# Altium PCB TMS320F28379D_Interfaz_.PcbDoc (part 5 of 5)
Units mil, origin at the board's own origin, x right, y up, seen from the top; angles counter-clockwise.
Board outline 7050 x 6150 mil, 4 copper layers (Top Layer, GND plane, Power supply plane, Bottom Layer), stack 30.634 mil thick; 614 components, 361 nets, 2002 pads, 627 vias.
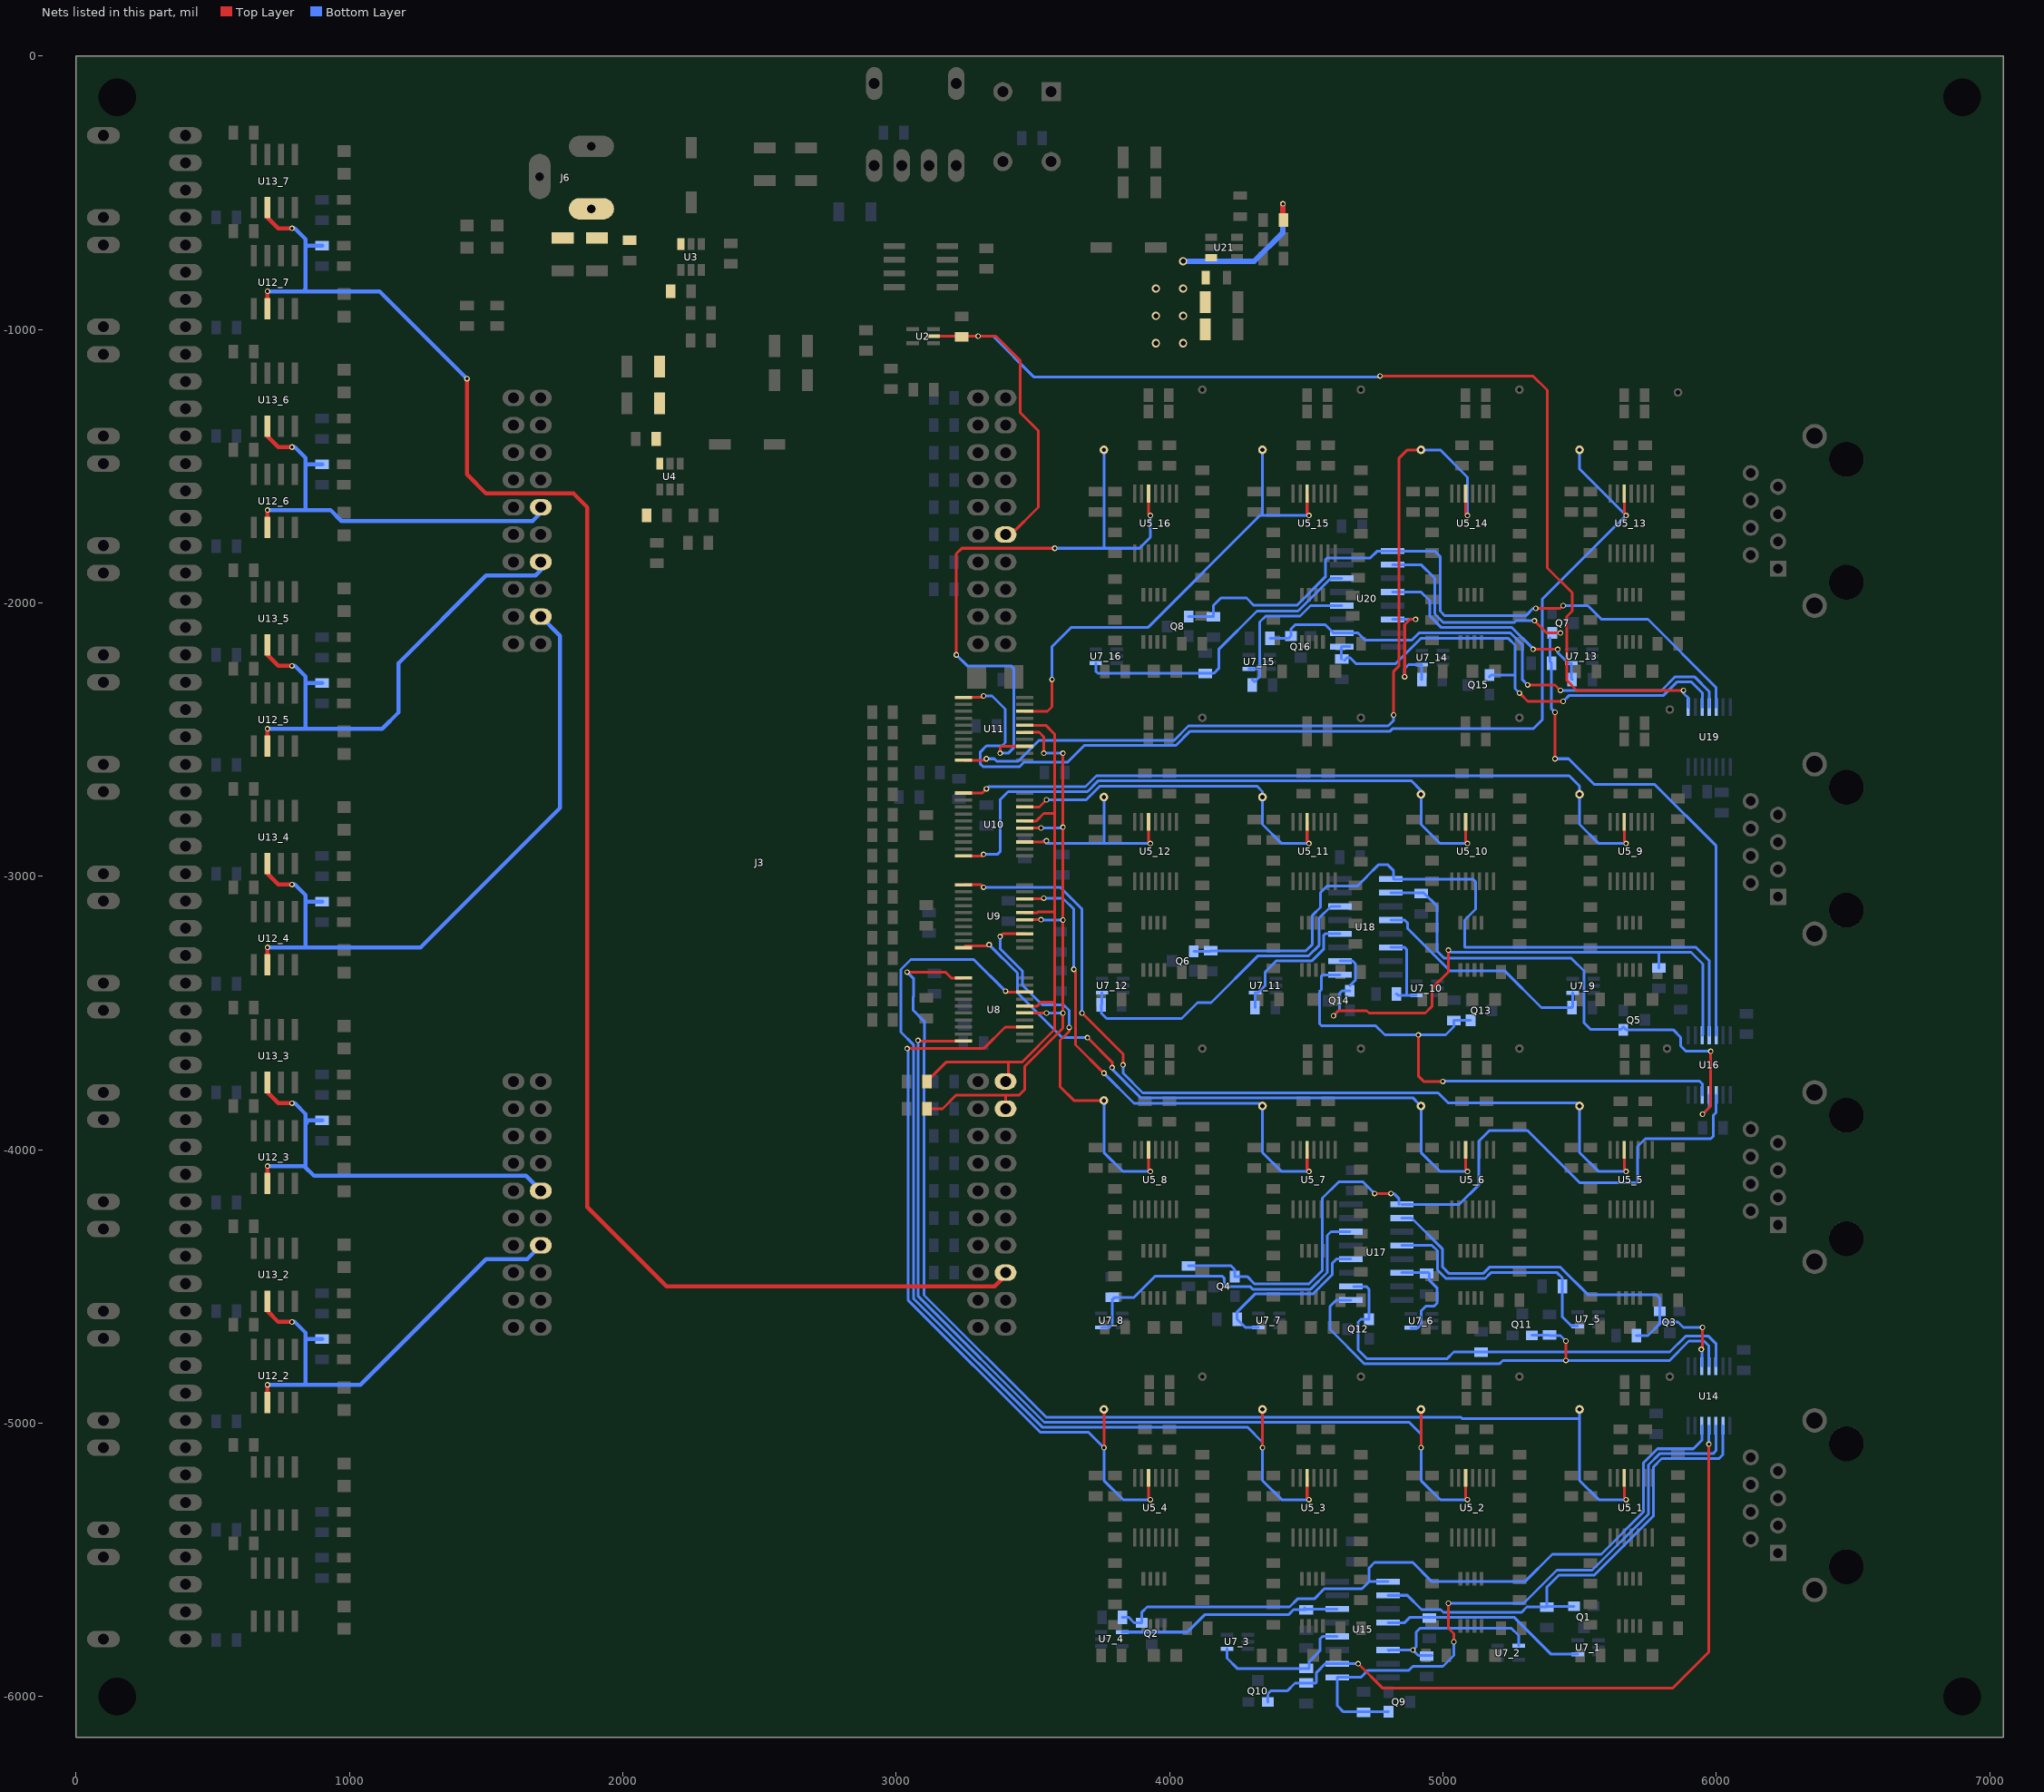
[diagram p7: the nets of this part, all layers, seen from the top]

## Via types
v1: diameter 20, hole 12, Top Layer to Bottom Layer, 538 vias
v2: diameter 30, hole 18, Top Layer to Bottom Layer, 80 vias
v3: diameter 30, hole 20, Top Layer to Bottom Layer, 6 vias
v4: diameter 32, hole 18, Top Layer to Bottom Layer, 3 vias

## Nets (pads, with @x,y where several pads share a name; then routed paths per layer and width w, separated by ;. In a path a pad name is that pad's centre, name@x,y a point inside that pad or via, vN(x,y) a via of type N, cw(c..) or ccw(c..) an arc to the next point about the centre after c; other vN are vias at no path point) (continued)
PWMB_2: J3.37 R63_2.2 U12_2.2 U13_2.2 | length 1737.5
  Top Layer w15: U12_2.2@700,-4924 v1(700,-4860) ; U13_2.2@700,-4554 700,-4590 740,-4630 v1(790,-4630)
  Bottom Layer w15: v1(700,-4860) 840,-4860 ; v1(790,-4630) 800,-4630 840,-4670 840,-4700 ; R63_2.2@900,-4692.6 847.4,-4692.6 840,-4700 ; J3.37@1700,-4350 1650,-4400 1500,-4400 1040,-4860 840,-4860 ; 840,-4860 840,-4700
PWMB_3: J3.35 R63_3.2 U12_3.2 U13_3.2 | length 1577.4
  Top Layer w15: U12_3.2@700,-4124 v1(700,-4060) ; U13_3.2@700,-3754 700,-3790 740,-3830 v1(790,-3830)
  Bottom Layer w15: v1(700,-4060) 834.55,-4060 ; v1(790,-3830) 800,-3830 840,-3870 840,-3910 ; R63_3.2@900,-3892.6 847.4,-3892.6 840,-3910 ; J3.35@1700,-4150 1645.5,-4095.5 870.05,-4095.5 834.55,-4060 ; 834.55,-4060 840,-4060 840,-3910
PWMB_4: J3.79 R63_4.2 U12_4.2 U13_4.2 | length 2536.4
  Top Layer w15: U12_4.2@700,-3324 v1(700,-3260) ; U13_4.2@700,-2954 700,-2990 740,-3030 v1(790,-3030)
  Bottom Layer w15: v1(700,-3260) 840,-3260 ; v1(790,-3030) 800,-3030 840,-3070 840,-3100 ; R63_4.2@900,-3092.6 847.4,-3092.6 840,-3100 ; J3.79@1700,-2050 1770,-2120 1770,-2750 1260,-3260 840,-3260 ; 840,-3260 840,-3100
PWMB_5: J3.77 R63_5.2 U12_5.2 U13_5.2 | length 1891.9
  Top Layer w15: U12_5.2@700,-2524 v1(700,-2460) ; U13_5.2@700,-2154 700,-2190 740,-2230 v1(790,-2230)
  Bottom Layer w15: v1(700,-2460) 840,-2460 ; v1(790,-2230) 800,-2230 840,-2270 840,-2300 ; R63_5.2@900,-2292.6 847.4,-2292.6 840,-2300 ; J3.77@1700,-1860 1700,-1880 1680,-1900 1500,-1900 1180,-2220 1180,-2400 1120,-2460 840,-2460 ; 840,-2460 840,-2300
PWMB_6: J3.75 R63_6.2 U12_6.2 U13_6.2 | length 1569.3
  Top Layer w15: U12_6.2@700,-1724 v1(700,-1660) ; U13_6.2@700,-1354 700,-1390 740,-1430 v1(790,-1430)
  Bottom Layer w15: v1(700,-1660) 840,-1660 ; v1(790,-1430) 800,-1430 840,-1470 840,-1500 ; R63_6.2@900,-1492.6 847.4,-1492.6 840,-1500 ; J3.75@1710,-1660 1670,-1700 970,-1700 930,-1660 840,-1660 ; 840,-1660 840,-1500
PWMB_10: J3.3 R63_7.2 U12_7.2 U13_7.2 | length 6459.3
  Top Layer w15: U12_7.2@700,-924 v1(700,-860) ; U13_7.2@700,-554 700,-590 740,-630 v1(790,-630) ; v1(1430,-1180) 1430,-1530 1500,-1600 1820,-1600 1870,-1650 1870,-4210 2160,-4500 3360,-4500 J3.3@3400,-4460
  Bottom Layer w15: v1(700,-860) 830,-860 ; v1(790,-630) 800,-630 840,-670 840,-700 ; R63_7.2@900,-692.6 847.4,-692.6 840,-700 ; v1(1430,-1180) 1110,-860 830,-860 ; 830,-860 840,-850 840,-700
R_I2C_1: POT_1.1 U5_1.5 U8.11 | length 4562.4
  Top Layer w10: v1(3040,-3350) 3180,-3350 3202.05,-3372.05 U8.11@3245.59,-3372.05 ; U5_1.5@5663.23,-5200 5663.23,-5273.23 v1(5670,-5280)
  Bottom Layer w10: v1(3040,-3350) 3063,-3373 3063,-3439.53 3062,-3440.53 3062,-3489.47 3103,-3530.47 3103,-3609.53 3102,-3610.53 3102,-4532 3548.75,-4978.75 5066.22,-4978.75 5070.47,-4983 5495.75,-4983 5500,-4987.25 ; POT_1.1@5500,-4940 POT_1.1@5500,-4950 5500,-4987.25 ; v1(5670,-5280) 5570,-5280 5500,-5210 5500,-4987.25
R_I2C_2: POT_2.1 U5_2.5 U8.20 | length 3742.8
  Top Layer w10: v1(3080,-3600) 3082.36,-3602.36 U8.20@3245.59,-3602.36 ; v1(4920,-5090) POT_2.1@4920,-4950 ; U5_2.5@5083.23,-5200 5083.23,-5273.23 v1(5090,-5280)
  Bottom Layer w10: v1(3080,-3600) 3081,-3601 3081,-4536.46 3541.29,-4996.75 4876.75,-4996.75 4920,-5040 v1(4920,-5090) 4920,-5210 4990,-5280 v1(5090,-5280)
R_I2C_3: POT_3.1 U5_3.5 U8.8 | length 3796.7
  Top Layer w10: v1(3400,-3420) 3403.23,-3423.23 U8.8@3470,-3423.23 ; v1(4340,-5090) POT_3.1@4340,-4950 ; U5_3.5@4503.23,-5200 4503.23,-5273.23 v1(4510,-5280)
  Bottom Layer w10: v1(3400,-3420) 3284,-3304 3053.47,-3304 3017,-3340.47 3017,-3569.53 3063,-3615.53 3063,-4543.91 3533.84,-5014.75 4284.75,-5014.75 4340,-5070 v1(4340,-5090) 4340,-5210 4410,-5280 v1(4510,-5280)
R_I2C_4: POT_4.1 U5_4.5 U8.3 | length 2866
  Top Layer w10: v1(3040,-3630) 3320,-3630 3398.82,-3551.18 U8.3@3470,-3551.18 ; v1(3760,-5090) POT_4.1@3760,-4950 ; U5_4.5@3923.23,-5200 3923.23,-5273.23 v1(3930,-5280)
  Bottom Layer w10: v1(3040,-3630) 3043,-3633 3043,-4549.37 3526.38,-5032.75 3702.75,-5032.75 v1(3760,-5090) 3760,-5210 3830,-5280 v1(3930,-5280)
R_I2C_5: POT_5.1 U5_5.5 U9.11 | length 3305
  Top Layer w10: U9.11@3245.59,-3030.87 3310.87,-3030.87 v1(3320,-3040) ; v1(3680,-3500) 3830,-3650 v1(3830,-3690) ; U5_5.5@5663.23,-4000 5663.23,-4073.23 v1(5670,-4080)
  Bottom Layer w10: v1(3320,-3040) 3600,-3040 3680,-3120 v1(3680,-3500) ; v1(3830,-3690) 3830,-3720 3902,-3792 4982.4,-3792 5018.4,-3828 5488,-3828 POT_5.1@5500,-3840 5500,-4010 5570,-4080 v1(5670,-4080)
R_I2C_6: POT_6.1 U5_6.5 U9.20 | length 2440.3
  Top Layer w10: U9.20@3245.59,-3261.18 3252.28,-3254.5 3335.5,-3254.5 v1(3340,-3250) ; v1(3700,-3590) 3790,-3680 v1(3790,-3700) ; U5_6.5@5083.23,-4000 5083.23,-4073.23 v1(5090,-4080)
  Bottom Layer w10: v1(3340,-3250) 3443.46,-3353.46 3443.46,-3425.98 3607.47,-3590 v1(3700,-3590) ; v1(3790,-3700) 3784.54,-3700 3894.54,-3810 4890,-3810 4910,-3830 4910,-3840 4920,-3850 4920,-4010 4990,-4080 v1(5090,-4080)
R_I2C_7: POT_7.1 U5_7.5 U9.8 | length 1924.5
  Top Layer w10: U9.8@3470,-3082.05 3537.95,-3082.05 v1(3540,-3080) ; v1(3650,-3340) 3656,-3346 3656,-3616 v1(3760,-3720) ; U5_7.5@4503.23,-4000 4503.23,-4073.23 v1(4510,-4080)
  Bottom Layer w10: v1(3540,-3080) 3610,-3080 3650,-3120 v1(3650,-3340) ; v1(3760,-3720) 3870,-3830 4330,-3830 POT_7.1@4340,-3840 4340,-4010 4410,-4080 v1(4510,-4080)
R_I2C_8: POT_8.1 U5_8.5 U9.3 | length 1460.8
  Top Layer w10: v1(3380,-3220) 3390,-3210 U9.3@3470,-3210 ; v1(3633,-3553) 3633,-3567 3600,-3600 3600,-3770 3650,-3820 POT_8.1@3760,-3820 ; U5_8.5@3923.23,-4000 3923.23,-4073.23 v1(3930,-4080)
  Bottom Layer w10: v1(3380,-3220) 3380,-3264.54 3461.46,-3346 3461.46,-3396.91 3534.54,-3470 3612.53,-3470 3633,-3490.47 v1(3633,-3553) ; POT_8.1@3760,-3820 3760,-4010 3830,-4080 v1(3930,-4080)
R_I2C_9: POT_9.1 U5_9.5 U10.11 | length 2718.2
  Top Layer w10: U10.11@3245.59,-2695.28 3314.72,-2695.28 v1(3330,-2680) ; U5_9.5@5663.23,-2800 5663.23,-2873.23 v1(5670,-2880)
  Bottom Layer w10: v1(3330,-2680) 3338,-2672 3692.54,-2672 3732.54,-2632 5462,-2632 5500,-2670 POT_9.1@5500,-2700 5500,-2810 5570,-2880 v1(5670,-2880)
R_I2C_10: POT_10.1 U5_10.5 U10.20 | length 2320.6
  Top Layer w10: U10.20@3245.59,-2925.59 3314.41,-2925.59 v1(3320,-2920) ; U5_10.5@5083.23,-2800 5083.23,-2873.23 v1(5090,-2880)
  Bottom Layer w10: v1(3320,-2920) 3370,-2920 3380,-2910 3380,-2720 3410,-2690 3700,-2690 3740,-2650 4884,-2650 4920,-2686 POT_10.1@4920,-2700 4920,-2810 4990,-2880 v1(5090,-2880)
R_I2C_11: POT_11.1 U5_11.5 U10.8 | length 1311.8
  Top Layer w10: U10.8@3470,-2746.46 3523.54,-2746.46 v1(3550,-2720) ; U5_11.5@4503.23,-2800 4503.23,-2873.23 v1(4510,-2880)
  Bottom Layer w10: v1(3550,-2720) 3695.46,-2720 3745.46,-2670 4320,-2670 4340,-2690 POT_11.1@4340,-2710 4340,-2810 4410,-2880 v1(4510,-2880)
R_I2C_12: POT_12.1 U5_12.5 U10.3 | length 738.8
  Top Layer w10: U10.3@3470,-2874.41 3545.59,-2874.41 v1(3550,-2870) ; U5_12.5@3923.23,-2800 3923.23,-2873.23 v1(3930,-2880)
  Bottom Layer w10: v1(3550,-2870) 3540,-2870 3550,-2880 3760,-2880 ; POT_12.1@3760,-2710 3760,-2880 ; v1(3930,-2880) 3760,-2880
R_I2C_13: POT_13.1 U5_13.5 U11.11 | length 3846.5
  Top Layer w10: U11.11@3245.59,-2345.28 3314.72,-2345.28 v1(3320,-2340) ; U5_13.5@5663.23,-1600 5663.23,-1673.23 v1(5670,-1680)
  Bottom Layer w10: v1(3320,-2340) 3351.01,-2340 3399,-2387.99 3399,-2511 3387,-2523 3330.47,-2523 3307,-2546.47 3307,-2588.01 3317.99,-2599 3451.4,-2599 3468.4,-2582 3627.6,-2582 3688.35,-2521.25 4023.29,-2521.25 4075.54,-2469 4806.46,-2469 4816.46,-2459 5332,-2459 5363,-2428 5363,-1987 v1(5670,-1680) 5500,-1510 POT_13.1@5500,-1440
R_I2C_14: POT_14.1 U5_14.5 U11.20 | length 3137.1
  Top Layer w10: U11.20@3245.59,-2575.59 3324.41,-2575.59 v1(3330,-2570) ; v1(4820,-2410) 4820,-2250 4840,-2230 4840,-1470 4870,-1440 POT_14.1@4920,-1440 ; U5_14.5@5083.23,-1600 5083.23,-1673.23 v1(5090,-1680)
  Bottom Layer w10: v1(3330,-2570) 3358.99,-2570 3367.99,-2579 3445.95,-2579 3521.69,-2503.25 4015.84,-2503.25 4069.09,-2450 4800,-2450 4820,-2430 v1(4820,-2410) ; POT_14.1@4920,-1440 4990,-1440 5090,-1540 v1(5090,-1680)
R_I2C_15: POT_15.1 U5_15.5 U11.8 | length 1788.4
  Top Layer w10: U11.8@3470,-2396.46 3553.54,-2396.46 3570,-2380 v1(3570,-2280) ; U5_15.5@4503.23,-1600 4503.23,-1673.23 v1(4510,-1680)
  Bottom Layer w10: v1(3570,-2280) 3570,-2160 3641,-2089 3922.01,-2089 4331.01,-1680 4340,-1680 ; POT_15.1@4340,-1440 4340,-1680 ; v1(4510,-1680) 4340,-1680
R_I2C_16: POT_16.1 U5_16.5 U11.3 | length 2319
  Top Layer w10: v1(3220,-2190) 3220,-1820 3240,-1800 v1(3580,-1800) ; v1(3380,-2550) 3380,-2530 3385.59,-2524.41 U11.3@3470,-2524.41 ; U5_16.5@3923.23,-1600 3923.23,-1673.23 v1(3930,-1680)
  Bottom Layer w10: v1(3220,-2190) 3260,-2230 3420,-2230 3430,-2240 3430,-2530 3410,-2550 v1(3380,-2550) ; v1(3580,-1800) 3760,-1800 ; POT_16.1@3760,-1440 3760,-1800 ; v1(3930,-1680) 3930,-1760 3890,-1800 3760,-1800
SCL_I2C: J3.9 R29.2 U8.5 U9.5 U10.5 U11.5 | length 2337.8
  Top Layer w10: R29.2@3112.4,-3850 3170,-3850 3220,-3800 3402,-3800 ; J3.9@3400,-3860 J3.9@3400,-3850 3400,-3802 3402,-3800 ; U8.5@3470,-3500 v1(3550,-3500) ; U9.5@3470,-3158.82 v1(3530,-3158.82) ; U11.5@3470,-2473.23 3523.23,-2473.23 3540,-2490 v1(3540,-2550) ; U10.5@3495,-2823.23 v1(3530,-2823.23) ; v1(3610,-2550) v1(3610,-2820) v1(3610,-3160) v1(3610,-3500) 3610,-3555.46 3470,-3695.46 3470,-3780 3450,-3800 3402,-3800
  Bottom Layer w10: v1(3530,-3158.82) 3531.18,-3160 v1(3610,-3160) ; v1(3530,-2823.23) v1@3610,-2823.23 ; v1(3540,-2550) v1(3610,-2550) ; v1(3550,-3500) v1(3610,-3500)
SDA_I2C: J3.10 R28.2 U8.6 U9.6 U10.6 U11.6 | length 2182.3
  Top Layer w10: R28.2@3112.4,-3750 3182.4,-3680 3410,-3680 ; J3.10@3410,-3750 J3.10@3400,-3750 3410,-3740 3410,-3680 ; U8.6@3470,-3474.41 3515.59,-3474.41 3530,-3460 3580,-3460 ; U9.6@3470,-3133.23 3515.99,-3133.23 3518.4,-3130.82 3580,-3130.82 ; U10.6@3470,-2797.64 3512.36,-2797.64 3540,-2770 3580,-2770 ; U11.6@3470,-2447.64 3547.64,-2447.64 3580,-2480 3580,-2770 ; 3410,-3680 3460,-3680 3580,-3560 3580,-3460 ; 3580,-3460 3580,-3130.82 ; 3580,-3130.82 3580,-2770
T1: Q1.G R82.2 U14.2 U15.2 | length 1843.5
  Bottom Layer w10: U15.2@4800,-5630 4870,-5630 4922.1,-5682.1 4992.1,-5682.1 5002,-5692 5288,-5692 5307.4,-5672.6 R82.2@5380,-5672.6 ; Q1.G@5480,-5670 5382.6,-5670 R82.2@5380,-5672.6 ; U14.2@6024.41,-5010 6024.41,-5115.59 6010,-5130 5800,-5130 5770,-5160 5770,-5340 5554,-5556 5424,-5556 5380,-5600 R82.2@5380,-5672.6
T2: Q9.G R83.2 U14.3 U15.9 | length 2364.4
  Top Layer w10: v1@5020,-5660 5020,-5750 5040,-5770 v1(5040,-5800)
  Bottom Layer w10: Q9.G@4801.26,-6056.15 4636.15,-6056.15 4614,-6034 U15.9@4614,-5930 4700,-5930 4726,-5904 4876,-5904 4890,-5890 5000,-5890 5040,-5850 v1(5040,-5800) ; v1(5020,-5659) 5295.54,-5659 5416.54,-5538 5546.54,-5538 5752,-5332.54 5752,-5152.54 5792.54,-5112 5988,-5112 5998.82,-5101.18 U14.3@5998.82,-5010
T3: Q10.G R84.2 U14.4 U15.10 | length 2624.9
  Top Layer w10: v1(4690,-5880) 4780,-5970 5840,-5970 5973.23,-5836.77 v1(5973.23,-5076.77)
  Bottom Layer w10: Q10.G@4360,-6020 4360,-5990 4370,-5980 4430,-5980 4459,-5951 R84.2@4500,-5951 4535,-5951 ; 4538,-5948 4538,-5912 4570,-5880 U15.10@4614,-5880 v1(4690,-5880) ; v1(5973.23,-5076.77) U14.4@5973.23,-5010
T4: Q2.G R85.2 U14.5 U15.1 | length 2744
  Bottom Layer w10: R85.2@3827.4,-5710 3850,-5710 3870.26,-5730.26 Q2.G@3898.85,-5730.26 3898.85,-5691.15 3918,-5672 4439.01,-5672 4468.01,-5643 4529.53,-5643 4558,-5614.53 4558,-5613.62 4565.62,-5606 4704,-5606 4730,-5580 ; U15.1@4800,-5580 4730,-5580 ; U14.5@5947.64,-5010 5947.64,-5062.76 5916.4,-5094 5785.09,-5094 5734,-5145.09 5734,-5325.09 5579.09,-5480 5400,-5480 5300,-5580 4960,-5580 4890,-5510 4750,-5510 4730,-5530 4730,-5580
T5: Q3.G R87.2 U14.10 U17.2 | length 1631.3
  Top Layer w10: v1(5945.28,-4730) 5950,-4725.28 v1(5950,-4650)
  Bottom Layer w10: U17.2@4850,-4250 4885.46,-4250 4998,-4362.54 4998,-4428 5023,-4453 5147,-4453 5170,-4430 5430,-4430 5530,-4530 5780,-4530 5793.85,-4543.85 Q3.G@5793.85,-4591.26 5793.85,-4636.15 ; R87.2@5707.4,-4680 5750,-4680 5793.85,-4636.15 ; v1(5945.28,-4730) 5947.64,-4732.36 U14.10@5947.64,-4791.5 ; v1(5950,-4650) 5880,-4650 5860,-4630 5800,-4630 5793.85,-4636.15
T6: Q11.G R88.2 U14.11 U17.9 | length 1920.4
  Top Layer w10: v1(5450,-4771) v1(5450,-4700)
  Bottom Layer w10: U17.9@4664,-4550 4610,-4550 4587,-4573 4587,-4657 4713.25,-4783.25 5206.75,-4783.25 5219,-4771 v1@5441,-4771 ; Q11.G@5326.15,-4678.74 5388.66,-4678.74 5389.92,-4680 5430,-4680 v1(5450,-4700) ; v1(5450,-4771) 5450,-4772 5828,-4772 5900,-4700 5954.87,-4700 5973.28,-4718.4 5973.28,-4791.45 U14.11@5973.23,-4791.5
T7: Q12.G R89.2 U14.12 U17.10 | length 1767.2
  Bottom Layer w10: U17.10@4674,-4500 4720,-4500 4730,-4510 Q12.G@4730,-4620 4700,-4620 4690,-4630 4690,-4732.07 4723.18,-4765.25 5014.75,-4765.25 5040,-4740 R89.2@5140,-4740 5830,-4740 5888,-4682 5972,-4682 5998.82,-4708.82 U14.12@5998.82,-4791.5
T8: Q4.G R91.2 U16.3 U17.1 | length 2891.2
  Top Layer w10: v1(4750,-4160) v1(4810,-4160)
  Bottom Layer w10: R91.2@4070,-4425.2 4225.2,-4425.2 4238.74,-4438.74 Q4.G@4238.74,-4463.85 4283.85,-4463.85 4310,-4490 4511.01,-4490 4559,-4442.01 4559,-4177.52 4618.52,-4118 4708,-4118 v1(4750,-4160) ; v1(4810,-4160) 4820,-4160 4840,-4180 U17.1@4840,-4200 ; U17.1@4850,-4200 5060,-4200 5132,-4128 5132,-3968 5170,-3930 5310,-3930 5500,-4120 5710,-4120 5712,-4118 5712,-3988 5740,-3960 5980,-3960 5990,-3950 5990,-3873.42 6000,-3863.42 U16.3@6000,-3800
T9: Q5.G R92.2 U16.4 U18.2 | length 1966
  Top Layer w10: v1(5950,-3870) 5980,-3840 v1(5980,-3640)
  Bottom Layer w10: U18.2@4810,-3060 4930,-3060 4978,-3108 4978,-3272.54 5005.46,-3300 5470,-3300 5516,-3346 5516,-3536 5540,-3560 5651.41,-3560 5660.26,-3551.15 5670.11,-3561 5842.01,-3561 5870,-3588.99 5870,-3620 5890,-3640 v1(5980,-3640) ; v1(5950,-3870) 5974.41,-3845.59 U16.4@5974.41,-3800
T10: Q13.G R93.2 U16.5 U18.9 | length 2095.8
  Top Layer w10: v1(4910,-3580) 4910,-3730 4930,-3750 v1(5000,-3750)
  Bottom Layer w10: U18.9@4624,-3360 4560,-3360 4555.8,-3364.2 4555.8,-3414.2 4548.31,-3421.69 4548.31,-3538.31 4557,-3547 4755,-3547 4788,-3580 v1(4910,-3580) 5010,-3580 5040,-3550 R93.2@5040,-3527.4 5041.25,-3526.15 Q13.G@5101.26,-3526.15 ; v1(5000,-3750) 5001.18,-3748.82 5938.82,-3748.82 5948.82,-3758.82 U16.5@5948.82,-3800
T11: Q14.G R94.2 U16.10 U18.10 | length 2163.5
  Top Layer w10: v1(4600,-3510) 4618,-3492 4721.6,-3492 4729.6,-3500 4935.88,-3500 4960,-3475.88 4960,-3410 5020,-3350 v1(5020,-3270)
  Bottom Layer w10: v1(4600,-3510) 4622,-3488 4622,-3428 4631.15,-3418.85 Q14.G@4659.74,-3418.85 ; U18.10@4624,-3310 4670,-3310 4680,-3320 4680,-3380 Q14.G@4660,-3400 ; v1(5020,-3270) 5028,-3278 5790,-3278 ; R94.2@5790,-3335.2 5790,-3278 ; U16.10@5948.82,-3581.5 5951.23,-3579.09 5951.23,-3321.23 5908,-3278 5790,-3278
T12: Q6.G R95.2 U16.11 U18.1 | length 2743.9
  Bottom Layer w10: Q6.G@4088.74,-3273.85 4148.75,-3273.85 R95.2@4150,-3272.6 4498.41,-3272.6 4522.73,-3248.28 4522.73,-3142.73 4552,-3113.46 4552,-3059.62 4575.62,-3036 4686.53,-3036 4723,-2999.53 4723,-2999.16 4760.16,-2962 4760.53,-2962 4765.53,-2957 4797,-2957 4820,-2980 4820,-3010 5110,-3010 5120,-3020 5120,-3120 5080,-3160 5080,-3260 5926,-3260 5974.41,-3308.41 U16.11@5974.41,-3581.5
T13: Q7.G R96.2 U16.12 U20.2 | length 2693.6
  Top Layer w10: v1(5335,-2065) 5380,-2110 v1(5430,-2110) ; v1(5410,-2570) v1(5410,-2400)
  Bottom Layer w10: U20.2@4816,-1860 4920,-1860 4970,-1910 4970,-2040 5002,-2072 5260.11,-2072 5267.11,-2065 v1(5335,-2065) ; Q7.G@5392,-2128 5392,-2214.6 R96.2@5397.4,-2220 5397.4,-2387.4 v1(5410,-2400) ; Q7.G@5400,-2110 v1(5430,-2110) ; v1(5410,-2570) 5460,-2570 5553.48,-2663.48 5774.49,-2663.48 6000,-2888.99 U16.12@6000,-3581.5
T14: Q15.G R97.2 U19.3 U20.9 | length 1821.6
  Top Layer w10: v1(5280.3,-2329.69) 5310.61,-2360 v1(5440,-2360)
  Bottom Layer w10: R97.2@4630,-2205.2 4629,-2204.2 4629,-2161 U20.9@4630,-2160 U20.9@4660,-2160 ; R97.2@4640,-2210 4650,-2200 4660,-2200 4683,-2223 4826.02,-2223 4919.02,-2130 5240,-2130 5264.03,-2154.03 5264.03,-2264.03 ; Q15.G@5170,-2270 5175.97,-2264.03 5264.03,-2264.03 ; v1(5280.3,-2329.69) 5264.03,-2313.42 5264.03,-2264.03 ; v1(5440,-2360) 5462,-2338 5807.46,-2338 5857.46,-2288 5908,-2288 5948.82,-2328.82 U19.3@5948.82,-2381.5
T15: Q16.G R98.2 U19.4 U20.10 | length 1938.2
  Top Layer w10: v1(5310,-2300) 5410,-2300 v1(5430,-2320)
  Bottom Layer w10: R98.2@4367.4,-2130 4435.11,-2130 Q16.G@4443.85,-2121.26 4443.85,-2096.15 4460,-2080 4570,-2080 4600,-2110 U20.10@4630,-2110 4690,-2110 4716,-2136 4886.53,-2136 4912.53,-2110 5247.2,-2110 5290,-2152.8 5290,-2280 v1(5310,-2300) ; v1(5430,-2320) 5800,-2320 5850,-2270 5920,-2270 5974.41,-2324.41 U19.4@5974.41,-2381.5
T16: Q8.G R99.2 U19.5 U20.1 | length 2538.3
  Top Layer w10: v1(5340,-2020) 5430,-2020 v1(5440,-2010)
  Bottom Layer w10: Q8.G@4070,-2050 R99.2@4160,-2050 4160,-2010 4188,-1982 4281.6,-1982 4308.6,-2009 4465.54,-2009 4570,-1904.54 4570,-1842 4576,-1836 4734,-1836 4760,-1810 U20.1@4816,-1810 4970,-1810 4990,-1830 4990,-2030 5007,-2047 5303,-2047 5330,-2020 v1(5340,-2020) ; v1(5440,-2010) 5530,-2010 5580,-2060 5750,-2060 6000,-2310 U19.5@6000,-2381.5
TRIP_1: R21_1.2 U7_1.4 U15.4 | length 757.4
  Bottom Layer w10: U15.4@4800,-5730 4860,-5730 4880,-5710 5260,-5710 5395.59,-5845.59 U7_1.4@5493,-5845.59
TRIP_2: R21_2.2 U7_2.4 U15.6 | length 670.5
  Bottom Layer w10: U15.6@4800,-5830 4802.6,-5832.6 4805.2,-5830 v1(4890,-5830) ; R21_2.2@4960,-5850 4910,-5850 v1(4890,-5830) ; U7_2.4@5277,-5814.41 5277,-5777 5250,-5750 4916.52,-5750 4902,-5764.52 4902,-5818 v1(4890,-5830)
TRIP_3: R21_3.2 U7_3.4 U15.12 | length 542
  Bottom Layer w10: U7_3.4@4210,-5825.59 4210,-5860 4247.4,-5897.4 R21_3.2@4500,-5897.4 4510,-5897.4 4510,-5873.48 4550,-5833.48 4550,-5790 4560,-5780 U15.12@4614,-5780
TRIP_4: R21_4.2 U7_4.4 U15.14 | length 830.9
  Bottom Layer w10: U7_4.4@3827,-5764.41 4065.59,-5764.41 4130,-5700 4436.47,-5700 4453.87,-5682.6 R21_4.2@4500,-5682.6 ; R21_4.2@4493.7,-5676.3 R21_4.2@4500,-5682.6 ; U15.14@4614,-5680 4502.6,-5680 R21_4.2@4500,-5682.6
TRIP_5: R21_5.2 U7_5.4 U17.4 | length 907.3
  Bottom Layer w10: U17.4@4850,-4350 4960,-4350 4980,-4370 4980,-4440 5011,-4471 5154.46,-4471 5175.46,-4450 5418,-4450 5437.4,-4469.4 R21_5.2@5437.4,-4500 5437.4,-4611.81 5471.18,-4645.59 U7_5.4@5493,-4645.59
TRIP_6: R21_6.2 U7_6.4 U17.6 | length 383.3
  Bottom Layer w10: U17.6@4850,-4450 4947.4,-4450 4950,-4452.6 4950,-4476.52 4978,-4504.52 4978,-4562 4968,-4572 4938,-4572 4920,-4590 4920,-4640 4908.82,-4651.18 U7_6.4@4883,-4651.18
TRIP_7: R21_7.2 U7_7.4 U17.12 | length 638.4
  Bottom Layer w10: U7_7.4@4325,-4650 4277.4,-4650 R21_7.2@4247.4,-4620 4247.4,-4592.6 4312,-4528 4523.92,-4528 4555.92,-4496 4595,-4456.92 4595,-4415 4610,-4400 U17.12@4664,-4400
TRIP_8: R21_8.2 U7_8.4 U17.14 | length 1239.1
  Bottom Layer w10: U7_8.4@3750,-4650 3780,-4650 3790,-4640 3790,-4550 3800,-4540 3870,-4540 3948,-4462 4192,-4462 4200,-4470 4200,-4490 4210,-4500 4294.54,-4500 4304.54,-4510 4516.47,-4510 4577,-4449.47 4577,-4313 4590,-4300 U17.14@4660,-4300
TRIP_9: R21_9.2 U7_9.4 U18.4 | length 861.7
  Bottom Layer w10: U18.4@4810,-3160 4860,-3160 4870,-3170 4870,-3190 5025,-3345 5225,-3345 5360,-3480 R21_9.2@5472.6,-3480 5475,-3477.6 U7_9.4@5475,-3426.18
TRIP_10: R21_10.2 U7_10.4 U18.6 | length 303.8
  Bottom Layer w10: U18.6@4810,-3260 4860,-3260 4867,-3267 4867,-3435.59 ; R21_10.2@4830,-3430 4835.59,-3435.59 4867,-3435.59 ; U7_10.4@4903,-3435.59 4867,-3435.59
TRIP_11: R21_11.2 U7_11.4 U18.12 | length 513.5
  Bottom Layer w10: R21_11.2@4312.6,-3480 4313,-3479.6 U7_11.4@4313,-3425.59 4324.41,-3425.59 4350,-3400 4350,-3350 4391.4,-3308.6 4521.4,-3308.6 4564.59,-3265.41 4564.59,-3215.41 4570,-3210 U18.12@4624,-3210
TRIP_12: R21_12.2 U7_12.4 U18.14 | length 1186.3
  Bottom Layer w10: U7_12.4@3753,-3425.59 3753,-3467 R21_12.2@3750,-3470 3750,-3500 3770,-3520 4044.54,-3520 4102.54,-3462 4152.54,-3462 4323.95,-3290.6 4509.4,-3290.6 4546.59,-3253.41 4546.59,-3153.41 4590,-3110 U18.14@4624,-3110
TRIP_13: R21_13.2 U7_13.4 U20.4 | length 864.9
  Top Layer w10: v1(5330,-2170) v1(5420,-2170)
  Bottom Layer w10: U20.4@4816,-1960 4920,-1960 4952,-1992 4952,-2047.46 4994.54,-2090 5252.65,-2090 v1@5332.65,-2170 ; v1(5420,-2170) 5420,-2182 5420.29,-2182 5458.29,-2220 U7_13.4@5470,-2220 5470,-2277.4 R21_13.2@5472.6,-2280
TRIP_14: R21_14.2 U7_14.4 U20.6 | length 475.8
  Top Layer w10: v1(4860,-2270) 4860,-2080 4880,-2060 v1(4900,-2060)
  Bottom Layer w10: U20.6@4816,-2060 v1(4900,-2060) ; v1(4860,-2270) 4860,-2240 4874.41,-2225.59 U7_14.4@4923,-2225.59 4923,-2279.6 R21_14.2@4922.6,-2280
TRIP_15: R21_15.2 U7_15.4 U20.12 | length 604.1
  Bottom Layer w10: U7_15.4@4290,-2241.18 4328.82,-2241.18 4330,-2240 ; R21_15.2@4302.6,-2280 4311.3,-2288.7 4330,-2270 4330,-2240 ; U20.12@4630,-2010 4515.46,-2010 4477.46,-2048 4352,-2048 4330,-2070 4330,-2240
TRIP_16: R21_16.2 U7_16.4 U20.14 | length 1118
  Bottom Layer w10: U7_16.4@3730,-2220 3730,-2250 3737.4,-2257.4 R21_16.2@4130,-2257.4 4162.6,-2257.4 4180,-2240 4180,-2170 4320,-2030 4470,-2030 4590,-1910 U20.14@4630,-1910
TRIP_ADC: J3.45 R2.2 U2.2 U19.1 | length 4863.3
  Top Layer w10: U2.2@3137,-1024.41 v1(3300,-1024.41) 3364.41,-1024.41 3453,-1113 3453,-1303 3520,-1370 3520,-1650 3420,-1750 J3.45@3400,-1750 ; v1(4770,-1170) 5330,-1170 5382,-1222 5382,-1872 5473,-1963 5473,-2029.53 5453,-2049.53 5453,-2283 5490,-2320 v1(5880,-2320)
  Bottom Layer w10: v1(3300,-1024.41) 3354.41,-1024.41 3503,-1173 4767,-1173 v1(4770,-1170) ; v1(5880,-2320) 5880,-2330 5897.64,-2347.64 U19.1@5897.64,-2381.5
VCC: C21.1 C22.1 C23.1 C27.1 C28.1 C29.1 C51.1 C52.1 C53.1 J6.1 R4.2 R8.2 R101.2 U3.3 U4.3 U21.3 | length 586
  Top Layer w20: R101.2@4414.8,-612.6 v1(4414.8,-540)
  Bottom Layer w20: v2(4050,-750) 4310,-750 4414.8,-645.2 v1(4414.8,-540)
  other v2: 3950,-1050 4050,-1050 3950,-950 4050,-950 3950,-850 4050,-850
pads on no net: J1.None J1.S1 J1.S2 J2.None J2.S1 J2.S2 J3.2 J3.5 J3.6 J3.7 J3.8 J3.11 J3.12 J3.13 J3.14 J3.15 J3.16 J3.17 J3.18 J3.19 J3.31 J3.32 J3.33 J3.34 J3.42 J3.43 J3.44 J3.46 J3.47 J3.49 J3.50 J3.51 J3.52 J3.53 J3.54 J3.55 J3.56 J3.57 J3.58 J3.59 J3.71 J3.72 J3.73 J3.74 J4.None J4.S1 J4.S2 J5.None J5.S1 J5.S2 U1.5 U5_1.12 U5_1.13 U5_1.14 U5_2.12 U5_2.13 U5_2.14 U5_3.12 U5_3.13 U5_3.14 U5_4.12 U5_4.13 U5_4.14 U5_5.12 U5_5.13 U5_5.14 U5_6.12 U5_6.13 U5_6.14 U5_7.12 U5_7.13 U5_7.14 U5_8.12 U5_8.13 U5_8.14 U5_9.12 U5_9.13 U5_9.14 U5_10.12 U5_10.13 U5_10.14 U5_11.12 U5_11.13 U5_11.14 U5_12.12 U5_12.13 U5_12.14 U5_13.12 U5_13.13 U5_13.14 U5_14.12 U5_14.13 U5_14.14 U5_15.12 U5_15.13 U5_15.14 U5_16.12 U5_16.13 U5_16.14 U14.6 U14.8 U15.13 U16.6 U16.8 U17.13 U18.13 U19.6 U19.8 U19.13 U20.13 XT1.3 XT1.4 XT1.5 XT1.8 XT2_1.3 XT2_1.4 XT2_1.5 XT2_1.8 XT2_2.3 XT2_2.4 XT2_2.5 XT2_2.8 XT2_3.3 XT2_3.4 XT2_3.5 XT2_3.8 XT2_4.3 XT2_4.4 XT2_4.5 XT2_4.8 XT2_5.3 XT2_5.4 XT2_5.5 XT2_5.8 XT2_6.3 XT2_6.4 XT2_6.5 XT2_6.8 XT2_7.3 XT2_7.4 XT2_7.5 XT2_7.8 XT3_1.3 XT3_1.4 XT3_1.5 XT3_1.8 XT3_2.3 XT3_2.4 XT3_2.5 XT3_2.8 XT3_3.3 XT3_3.4 XT3_3.5 XT3_3.8 XT3_4.3 XT3_4.4 XT3_4.5 XT3_4.8 XT3_5.3 XT3_5.4 XT3_5.5 XT3_5.8 XT3_6.3 XT3_6.4 XT3_6.5 XT3_6.8 XT3_7.3 XT3_7.4 XT3_7.5 XT3_7.8

## Polygon pours and split planes (outlines as drawn)
+5V_A on Top Layer "Top Layer-No Net" (solid, pour order 188): 3820,-750 3560,-750 3520,-710 3520,-90 3540,-70 3840,-70 3860,-90 3860,-710
VCC on Top Layer "Top Layer-No Net" (solid, pour order 172): 4180,-1060 4140,-1100 3950,-1100 3920,-1070 3920,-830 4030,-720 4170,-720 4180,-730 4180,-1040
DGND on Top Layer "Top Layer-No Net" (solid, pour order 126): 1760,-1450 2050,-1450 2075,-1425 2075,-750 2055,-730 1770,-730 1720,-730 1700,-750 1700,-1120 1750,-1170 1750,-1440 1760,-1450
+3.3V_D on Top Layer "Top Layer-No Net" (solid, pour order 78): 2280,-1820 2290,-1830 2610,-1830 2630,-1810 2630,-1040 2630,-810 2610,-790 2460,-790 2390,-790 2360,-820 2360,-1070 2290,-1140 2290,-1340.47 2300,-1350.47 2420,-1350.47 2440,-1370.47 2440,-1430 2440,-1700 2400,-1740 2290,-1740 2280,-1750
NetC2_1 on Top Layer "Top Layer-No Net" (solid, pour order 6): 2235,-710 2265,-710 2265,-620 2355,-620 2355,-720 2415,-720 2425,-710 2425,-430 2185,-430 2155,-460 2155,-510 2235,-595
+5V_D on Top Layer "Top Layer-No Net" (solid, pour order 8): 2200,-410 2175,-385 2175,-135 2200,-110 2725,-110 2750,-135 2750,-385 2725,-410
DGND on Top Layer "Top Layer-No Net" (solid, pour order 166): 2450,-720 2490,-760 2630,-760 2650,-780 2650,-1460 2670,-1480 2810,-1480 2830,-1460 2830,-1100 2830,-1060 2830,-460 2805,-435 2475,-435 2450,-460
VCC on Top Layer "Top Layer-No Net" (solid, pour order 36): 2095,-1520 2150,-1520 2150,-1435 2200,-1385 2200,-1160 2200,-735 2225,-710 2225,-685 2225,-635 2175,-585 2080,-490 1795,-490 1700,-585 1700,-690 1730,-720 2060,-720 2095,-755 2095,-1419.62
VCC on Top Layer "Top Layer-No Net" (solid, pour order 40): 2115,-1710 2105,-1720 2065,-1720 2055,-1710 2055,-1470 2065,-1460 2115,-1460
NetC24_1 on Top Layer "Top Layer-No Net" (solid, pour order 44): 2155,-1520 2185,-1520 2185,-1460 2195,-1450 2315,-1450 2315,-1720 2365,-1720 2405,-1680 2405,-1400 2385,-1380 2225,-1380 2155,-1450
DGND on Top Layer "Top Layer-No Net" (solid, pour order 46): 2275,-640 2275,-720 2225,-720 2215,-730 2215,-750 2225,-760 2345,-760 2355,-750 2355,-640 2345,-630 2285,-630
DGND on Top Layer "Top Layer-No Net" (solid, pour order 48): 2195,-1470 2205,-1460 2295,-1460 2305,-1470 2305,-1620 2295,-1630 2265,-1630 2255,-1620 2255,-1560 2245,-1550 2145,-1550 2135,-1540 2135,-1530 2185,-1530 2195,-1520
AGND on Top Layer "Top Layer-No Net" (solid, pour order 184): 4130,-680 4180,-680 4190,-690 4190,-1050 4220,-1080 4510,-1080 4550,-1040 4550,-810 4520,-780 4240,-780 4220,-760 4220,-650 4218,-648 4218,-308 4189,-279 3900.09,-279 3880,-300.9 3880,-320 3880,-520 3936,-557 4121,-557 4121,-615.42 4121,-670 4121,-671
DGND on Bottom Layer "Top Layer-No Net" (solid, pour order 118): 1750,-1425 1775,-1450 2125,-1450 2125,-1625 2150,-1650 2350,-1650 2375,-1625 2375,-1450 2800,-1450 2830,-1420 2830,-405 2755,-330 2215,-330 2110,-225 1650,-225 1625,-250 1625,-550 1650,-575 1654.29,-570.71 1750,-570.71
AGND on Bottom Layer "Top Layer-No Net" (solid, pour order 170): 2860,-530 2880,-510 3230,-510 3250,-530 3250,-680 3230,-700 2880,-700 2860,-680
DGND on GND plane (split plane): 2844.9,-1840 2844.9,-1900 2844.9,-6019.9 155.1,-6019.9 155.1,-105.1 2844.9,-105.1
AGND on GND plane (split plane): 6944.9,-5794.9 6944.9,-6019.9 2855.1,-6019.9 2855.1,-1900 2855.1,-1840 2855.1,-105.1 6944.9,-105.1
AGND on GND plane (split plane): 7029.9,-6129.9 20.1,-6129.9 20.1,-20.1 7029.9,-20.1
VCC on Power supply plane (split plane): 4194.9,-502.11 4194.9,-1047.89 4147.89,-1094.9 3952.11,-1094.9 3905.1,-1047.89 3905.1,-830 3905.1,-760 3904.71,-758.05 3903.6,-756.4 3813.6,-666.4 3811.95,-665.29 3810,-664.9 3380,-664.9 3378.05,-665.29 3376.4,-666.4 3266.4,-776.39 3266.4,-776.4 3247.89,-794.9 1862.11,-794.9 1805.1,-737.89 1805.1,-600 1805.1,-502.11 1832.11,-475.1 4167.89,-475.1
+3.3V_D on Power supply plane (split plane): 2644.9,-1340 2645.29,-1341.95 2646.4,-1343.6 3244.9,-1942.11 3244.9,-2160 3245.29,-2161.95 3246.4,-2163.6 3286.4,-2203.6 3288.05,-2204.71 3290,-2205.1 3320,-2205.1 3321.95,-2204.71 3323.6,-2203.6 3353.6,-2173.6 3354.71,-2171.95 3355.1,-2170 3355.1,-2112.11 3362.11,-2105.1 3437.89,-2105.1 3704.9,-2372.11 3704.9,-4497.89 3497.89,-4704.9 3382.11,-4704.9 3355.1,-4677.89 3355.1,-4640 3354.71,-4638.05 3353.6,-4636.4 3323.6,-4606.4 3321.95,-4605.29 3320,-4604.9 3292.11,-4604.9 3155.1,-4467.89 3155.1,-2550 3154.71,-2548.05 3153.6,-2546.4 3083.6,-2476.4 3081.95,-2475.29 3080,-2474.9 2405.1,-2474.9 2405.1,-1010.24 2405.14,-1010.04 2404.75,-1008.09 2403.64,-1006.43 2373.6,-976.4 2371.95,-975.29 2370,-974.9 1612.11,-974.9 1605.1,-967.89 1605.1,-942.11 1622.11,-925.1 2360,-925.1 2361.95,-924.71 2363.6,-923.6 2403.64,-883.57 2404.75,-881.91 2405.14,-879.96 2405.1,-879.76 2405.1,-805.1 2644.9,-805.1
+5V_A on Power supply plane (split plane): 6944.9,-6019.9 2405.1,-6019.9 2405.1,-2485.1 3077.89,-2485.1 3144.9,-2552.11 3144.9,-4470 3145.29,-4471.95 3146.4,-4473.6 3286.4,-4613.6 3288.05,-4614.71 3290,-4615.1 3317.89,-4615.1 3344.9,-4642.11 3344.9,-4680 3345.29,-4681.95 3346.4,-4683.6 3376.4,-4713.6 3378.05,-4714.71 3380,-4715.1 3500,-4715.1 3501.95,-4714.71 3503.6,-4713.6 3713.6,-4503.6 3714.71,-4501.95 3715.1,-4500 3715.1,-2370 3714.71,-2368.05 3713.6,-2366.4 3443.6,-2096.4 3441.95,-2095.29 3440,-2094.9 3360,-2094.9 3358.05,-2095.29 3356.4,-2096.4 3346.4,-2106.4 3345.29,-2108.05 3344.9,-2110 3344.9,-2167.89 3317.89,-2194.9 3292.11,-2194.9 3255.1,-2157.89 3255.1,-1940 3254.71,-1938.05 3253.6,-1936.4 2655.1,-1337.89 2655.1,-805.1 3250,-805.1 3251.95,-804.71 3253.6,-803.6 3273.6,-783.6 3273.61,-783.6 3382.11,-675.1 3807.89,-675.1 3894.9,-762.11 3894.9,-830 3894.9,-1050 3895.29,-1051.95 3896.4,-1053.6 3946.4,-1103.6 3948.05,-1104.71 3950,-1105.1 4150,-1105.1 4151.95,-1104.71 4153.6,-1103.6 4203.6,-1053.6 4204.71,-1051.95 4205.1,-1050 4205.1,-500 4204.71,-498.05 4203.6,-496.4 4173.6,-466.4 4171.95,-465.29 4170,-464.9 2793.15,-464.9 2793.15,-105.1 6944.9,-105.1
+5V_D on Power supply plane (split plane): 2782.95,-464.9 1830,-464.9 1828.05,-465.29 1826.4,-466.4 1796.4,-496.4 1795.29,-498.05 1794.9,-500 1794.9,-600 1794.9,-740 1795.29,-741.95 1796.4,-743.6 1856.4,-803.6 1858.05,-804.71 1860,-805.1 2394.9,-805.1 2394.9,-877.89 2357.89,-914.9 1620,-914.9 1618.05,-915.29 1616.4,-916.4 1596.4,-936.4 1595.29,-938.05 1594.9,-940 1594.9,-970 1595.29,-971.95 1596.4,-973.6 1606.4,-983.6 1608.05,-984.71 1610,-985.1 2367.89,-985.1 2394.9,-1012.11 2394.9,-2480 2394.9,-2700 2394.9,-6019.9 155.1,-6019.9 155.1,-105.1 2782.95,-105.1
no net on Power supply plane (split plane): 7029.9,-6129.9 20.1,-6129.9 20.1,-20.1 7029.9,-20.1

## Other copper
GND plane (plane layer: these items are gaps in the copper):
  lines w10: 1150,-6025 2850,-6025 2850,-1900 2850,-1840 2850,-100 3440,-100 ; 6950,-6025.1 6950,-5794.9 6950,-100 150,-100 150,-6025 6950,-6025
Power supply plane (plane layer: these items are gaps in the copper):
  lines w10: 2400,-6025 2400,-1010.08 ; 2400,-2700 2400,-2480 3080,-2480 3150,-2550 3150,-4470 3290,-4610 3320,-4610 3350,-4640 3350,-4680 3380,-4710 3440,-4710 3500,-4710 3710,-4500 3710,-2370 3440,-2100 3360,-2100 3350,-2110 3350,-2170 3320,-2200 3290,-2200 3250,-2160 3250,-1940 2650,-1340 2650,-800 2420,-800 2400,-800 2400,-879.92 ; 2400.04,-1010.04 2370,-980 1610,-980 1600,-970 1600,-940 1620,-920 2360,-920 2400.04,-879.96 ; 2788.05,-464.9 2788.05,-104.71 ; 150,-6025 1975,-6025 6950,-6025 6950,-100 150,-100 150,-6025 ; 1800,-740 1800,-600 1800,-500 1830,-470 2320,-470 3770,-470 4140,-470 4170,-470 4200,-500 4200,-1050 4150,-1100 3950,-1100 3900,-1050 3900,-830 3900,-760 3810,-670 3380,-670 3270,-780 3250,-800 1860,-800 1800,-740

## Silkscreen, mask and mechanical layers (free items; w line width, h text height)
Top Overlay:
  drawing of 10371 lines, arcs and shapes, not listed
  text "8-16 V" at 2090,-120 h70
  text "TMS320F28379D Launchpad Interface Ver 2.1" at 4000,-150 h55
  text "Design: Jose Aravena / Guide: Matias Diaz" at 4500,-450 h55
  text "RESET" at 3320,-520 h70
  text "+5V" at 1450,-580 h40 r90
  text "+3.3V" at 1550,-580 h40 r90
  text "PWM10B" at 1250,-600 h60 r90
  text "ENABLE" at 2900,-630 h70
  text "PWM10A" at 1250,-1000 h60 r90
  text "PWM6B" at 1250,-1400 h60 r90
  text "PWM6A" at 1250,-1800 h60 r90
  text "PWM5B" at 1250,-2200 h60 r90
  text "A1" at 4100,-2280 h70
  text "A4" at 4680,-2280 h70
  text "B4" at 5260,-2280 h70
  text "C4" at 5840,-2280 h70
  text "PWM5A" at 1250,-2600 h60 r90
  text "PWM4B" at 1250,-3000 h60 r90
  text "PWM4A" at 1250,-3400 h60 r90
  text "A5" at 4100,-3480 h70
  text "B5" at 4680,-3480 h70
  text "C5" at 5260,-3480 h70
  text "15" at 5840,-3480 h70
  text "PWM3B" at 1250,-3800 h60 r90
  text "PWM3A" at 1250,-4200 h60 r90
  text "PWM2B" at 1250,-4600 h60 r90
  text "A0" at 4100,-4680 h70
  text "A2" at 4680,-4680 h70
  text "B2" at 5260,-4680 h70
  text "C2" at 5840,-4680 h70
  text "PWM2A" at 1250,-5000 h60 r90
  text "GPIO52: Enable (OUT) / GPIO97: Aviso de TRIP (IN)" at 1600,-5120 h70
  text "PWM1B" at 1250,-5400 h60 r90
  text "PWM1A" at 1250,-5800 h60 r90
  text "A3" at 4100,-5880 h70
  text "B3" at 4680,-5880 h70
  text "C3" at 5260,-5880 h70
  text "14" at 5850,-5880 h70
  text "Desconectar jumper  Launchpad / JP1, JP2 y JP3 antes de energizar" at 2150,-5890 h70
Mechanical 1:
  the board outline again, w10

## Text inside footprints (layer, text, board x,y; h text height)
1: Top Overlay "+" at 1520,-740 h40 r270
2: Top Overlay "+" at 1410,-740 h40 r270
J3: Top Overlay "5V" at 3205,-4615 h60 r180; Top Overlay "3V3" at 3625,-2115 h60 r180; Top Overlay "3V3" at 3625,-4615 h60 r180; Top Overlay "5V" at 3205,-2115 h60 r180; Top Overlay "GND" at 3205,-2030 h38 r180; Top Overlay "GND" at 3205,-4530 h38 r180; Top Overlay "23" at 3230,-4435 h30 r180; Top Overlay "24" at 3230,-4335 h30 r180; Top Overlay "25" at 3230,-4235 h30 r180; Top Overlay "26" at 3230,-4135 h30 r180; Top Overlay "27" at 3230,-4040 h30 r180; Top Overlay "28" at 3230,-3935 h30 r180; Top Overlay "29" at 3240,-3835 h30 r180; Top Overlay "30" at 3230,-3735 h30 r180; Top Overlay "2" at 3540,-4535 h30 r180; Top Overlay "3" at 3540,-4435 h30 r180; Top Overlay "4" at 3540,-4330 h30 r180; Top Overlay "5" at 3535,-4230 h30 r180; Top Overlay "6" at 3535,-4135 h30 r180; Top Overlay "7" at 3530,-4035 h30 r180; Top Overlay "8" at 3525,-3930 h30 r180; Top Overlay "9" at 3530,-3830 h30 r180; Top Overlay "10" at 3530,-3730 h30 r180; Top Overlay "63" at 3225,-1930 h30 r180; Top Overlay "64" at 3225,-1830 h30 r180; Top Overlay "65" at 3225,-1735 h30 r180; Top Overlay "66" at 3220,-1635 h30 r180; Top Overlay "67" at 3220,-1535 h30 r180; Top Overlay "68" at 3220,-1435 h30 r180; Top Overlay "69" at 3220,-1335 h30 r180; Top Overlay "70" at 3215,-1235 h30 r180; Top Overlay "42" at 3545,-2035 h30 r180; Top Overlay "43" at 3540,-1935 h30 r180; Top Overlay "44" at 3540,-1835 h30 r180; Top Overlay "45" at 3540,-1730 h30 r180; Top Overlay "46" at 3540,-1635 h30 r180; Top Overlay "47" at 3540,-1535 h30 r180; Top Overlay "48" at 3540,-1435 h30 r180; Top Overlay "49" at 3540,-1330 h30 r180; Top Overlay "50" at 3540,-1235 h30 r180; Top Overlay "GND" at 1495,-2130 h38 r180; Top Overlay "GND" at 1495,-4630 h38 r180; Top Overlay "19" at 1525,-4535 h30 r180; Top Overlay "18" at 1525,-4435 h30 r180; Top Overlay "17" at 1525,-4335 h30 r180; Top Overlay "16" at 1525,-4235 h30 r180; Top Overlay "15" at 1525,-4135 h30 r180; Top Overlay "14" at 1525,-4035 h30 r180; Top Overlay "13" at 1525,-3935 h30 r180; Top Overlay "12" at 1525,-3835 h30 r180; Top Overlay "11" at 1525,-3740 h30 r180; Top Overlay "31" at 1820,-3735 h30 r180; Top Overlay "32" at 1820,-3830 h30 r180; Top Overlay "33" at 1820,-3935 h30 r180; Top Overlay "34" at 1820,-4035 h30 r180; Top Overlay "35" at 1825,-4130 h30 r180; Top Overlay "36" at 1825,-4230 h30 r180; Top Overlay "37" at 1825,-4335 h30 r180; Top Overlay "38" at 1825,-4435 h30 r180; Top Overlay "39" at 1825,-4535 h30 r180; Top Overlay "40" at 1825,-4635 h30 r180; Top Overlay "59" at 1525,-2035 h30 r180; Top Overlay "58" at 1525,-1935 h30 r180; Top Overlay "57" at 1525,-1835 h30 r180; Top Overlay "56" at 1525,-1735 h30 r180; Top Overlay "55" at 1525,-1635 h30 r180; Top Overlay "54" at 1525,-1535 h30 r180; Top Overlay "53" at 1525,-1435 h30 r180; Top Overlay "52" at 1525,-1335 h30 r180; Top Overlay "51" at 1525,-1235 h30 r180; Top Overlay "71" at 1815,-1235 h30 r180; Top Overlay "72" at 1820,-1335 h30 r180; Top Overlay "73" at 1820,-1435 h30 r180; Top Overlay "74" at 1820,-1535 h30 r180; Top Overlay "75" at 1820,-1630 h30 r180; Top Overlay "76" at 1820,-1730 h30 r180; Top Overlay "77" at 1820,-1835 h30 r180; Top Overlay "78" at 1820,-1935 h30 r180; Top Overlay "79" at 1820,-2035 h30 r180; Top Overlay "80" at 1820,-2135 h30 r180
LED1_1: Top Overlay "+" at 960,-5268.66 h40 r270
LED1_2: Top Overlay "+" at 960,-4468.66 h40 r270
LED1_3: Top Overlay "+" at 960,-3668.66 h40 r270
LED1_4: Top Overlay "+" at 960,-2868.66 h40 r270
LED1_5: Top Overlay "+" at 960,-2068.66 h40 r270
LED1_6: Top Overlay "+" at 960,-1268.66 h40 r270
LED1_7: Top Overlay "+" at 960,-468.66 h40 r270
LED2_1: Top Overlay "+" at 1000,-5631.34 h40 r90
LED2_2: Top Overlay "+" at 1000,-4831.34 h40 r90
LED2_3: Top Overlay "+" at 1000,-4031.34 h40 r90
LED2_4: Top Overlay "+" at 1000,-3231.34 h40 r90
LED2_5: Top Overlay "+" at 1000,-2431.34 h40 r90
LED2_6: Top Overlay "+" at 1000,-1631.34 h40 r90
LED2_7: Top Overlay "+" at 1000,-831.34 h40 r90
TRIP1: Top Overlay "+" at 5645,-5830 h40 r180
TRIP2: Top Overlay "+" at 5070,-5830 h40 r180
TRIP3: Top Overlay "+" at 4486.34,-5830 h40 r180
TRIP4: Top Overlay "+" at 3903.66,-5830 h40 r180
TRIP5: Top Overlay "+" at 5645,-4630 h40 r180
TRIP6: Top Overlay "+" at 5070,-4630 h40 r180
TRIP7: Top Overlay "+" at 4478.66,-4630 h40 r180
TRIP8: Top Overlay "+" at 3903.66,-4630 h40 r180
TRIP9: Top Overlay "+" at 5645,-3430 h40 r180
TRIP10: Top Overlay "+" at 5070,-3430 h40 r180
TRIP11: Top Overlay "+" at 4486.34,-3430 h40 r180
TRIP12: Top Overlay "+" at 3903.66,-3430 h40 r180
TRIP13: Top Overlay "+" at 5645,-2230 h40 r180
TRIP14: Top Overlay "+" at 5070,-2230 h40 r180
TRIP15: Top Overlay "+" at 4486.34,-2230 h40 r180
TRIP16: Top Overlay "+" at 3903.66,-2230 h40 r180